# Altium PCB DCAC_V2c.PcbDoc (part 6 of 7) (continued)
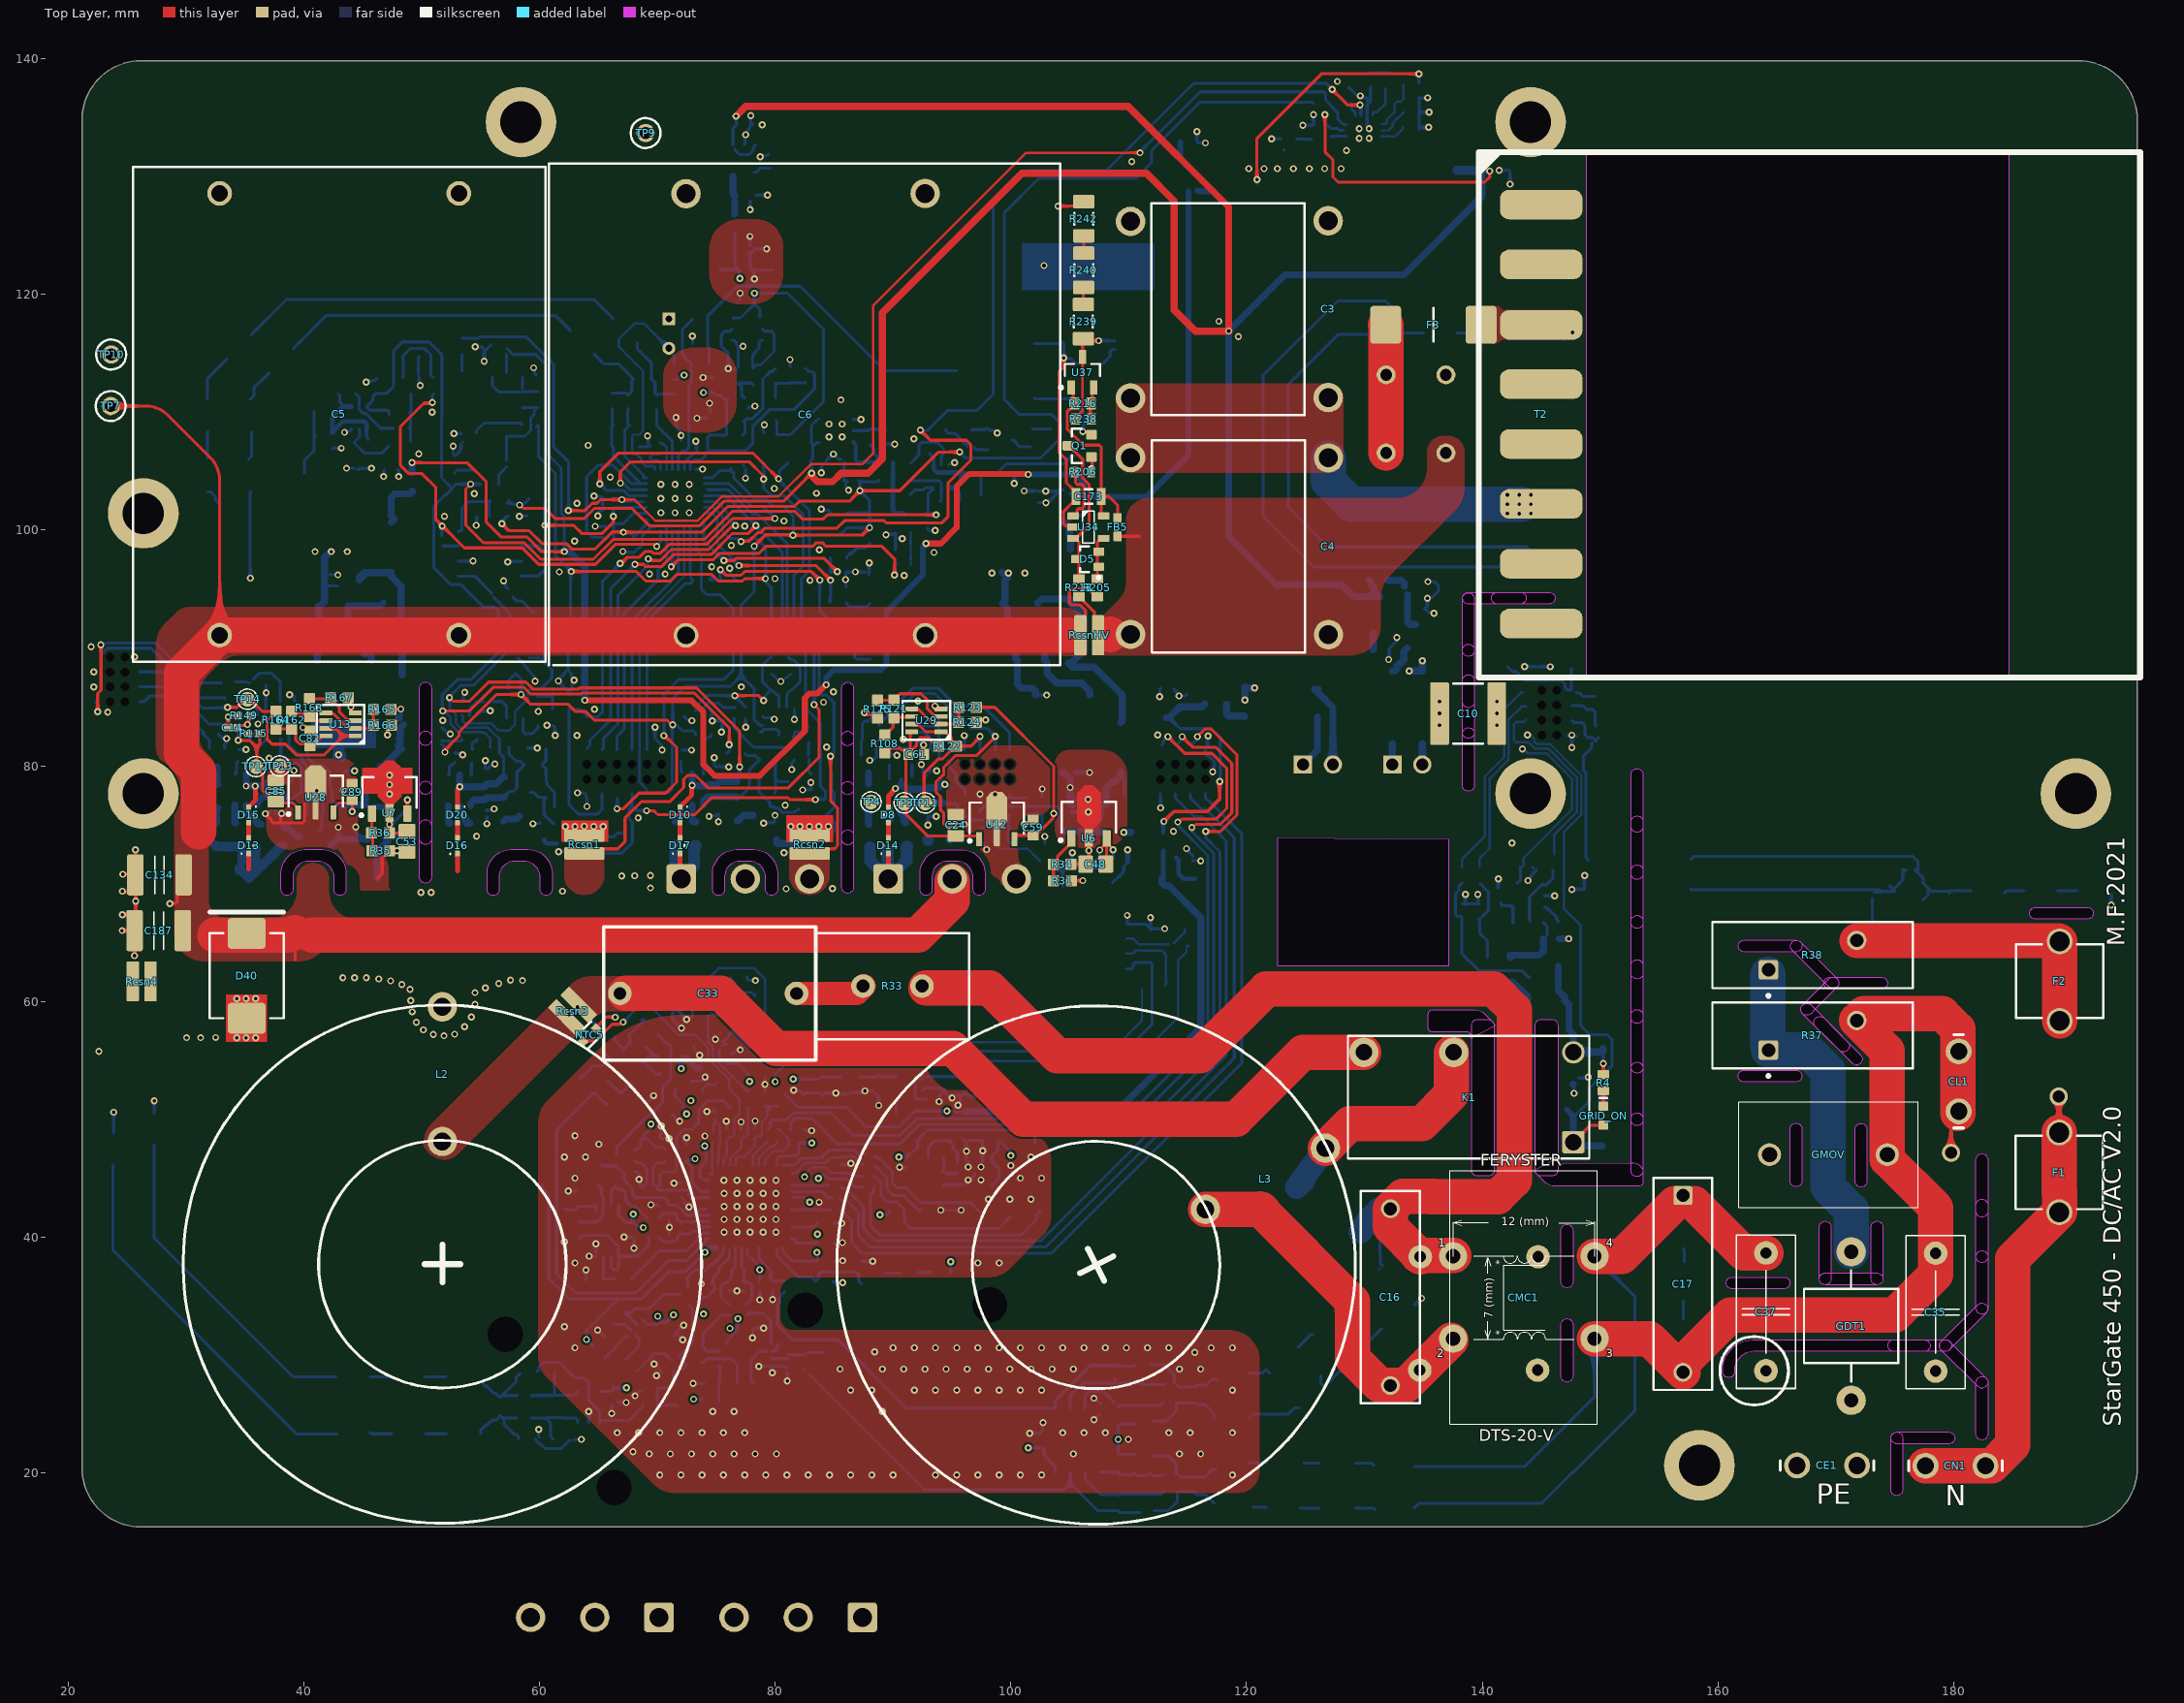
[diagram p0: Top Layer view]
## Nets (pads, with @x,y where several pads share a name; then routed paths per layer and width w, separated by ;. In a path a pad name is that pad's centre, name@x,y a point inside that pad or via, vN(x,y) a via of type N, cw(c..) or ccw(c..) an arc to the next point about the centre after c; other vN are vias at no path point) (continued)
  Bottom Layer w0.254: CONN_BOTT.3@69.11,81.37 69.11,92.235 72.327,95.452 72.777,95.452 73,95.675 R177.1@73,95.775 72.827,95.948 72.827,96.195 72.775,96.247 IC1.26@72.775,100.225
SPI_SCK_TOP_HF_MOS_2: R120.1 U32.39 | length 3.2
  Bottom Layer w0.254: U32.39@81.364,44.356 81.387,44.379 R120.1@84.529,44.379
STATUS1_2: Q7.1 R117.2 U32.2 | length 10
  Bottom Layer w0.254: U32.2@80.125,39 80.137,38.988 80.137,38.438 81.977,36.598 83.127,36.598 83.4,36.325 83.4,36.225 83.673,36.498 83.673,36.798 83.905,37.03 86.876,37.03 87.075,36.831 87.075,36.298 87.348,36.025 Q7.1@87.35,36.025
SWCLK_1: J3.2 R111.2 | length 2.5
  Bottom Layer w0.254: R111.2@86.075,97.625 86.075,97.725 86.348,97.998 86.448,97.998 86.942,98.492 87.652,98.492 J3.2@88.025,98.865
SWCLK_2: J2.2 R84.2 | length 6.1
  Bottom Layer w0.254: R84.2@88.425,46.05 88.573,45.902 88.615,45.902 89.475,45.042 89.475,44.05 90,43.525 90.9,43.525 92.002,42.423 92.165,42.26 J2.2@92.37,42.26
SWDIO_1: J3.4 R112.2 | length 2.3
  Bottom Layer w0.254: R112.2@86.025,93.875 86.025,93.775 86.298,93.502 87.742,93.502 J3.4@88.025,93.785
SWDIO_2: J2.4 R109.2 | length 11.7
  Bottom Layer w0.254: R109.2@88.382,46.898 88.473,46.807 88.668,46.807 89.945,45.53 89.945,44.58 90.347,44.178 91.062,44.178 92.316,42.925 96.575,42.925 97.077,42.423 97.082,42.423 97.5,42.005 J2.4@97.5,42
SWO_2: J2.6 R200.2 | length 19.3
  Bottom Layer w0.254: R200.2@88.41,44.28 88.323,44.193 88.323,43.818 88.1,43.595 88.1,40.95 88.88,40.17 100.865,40.17 102.157,41.462 102.157,41.887 J2.6@102.53,42.26
TMON_NTC_1: C114.2 IC1.9 NTC4.2 R186.1 | length 21.4
  Top Layer w0.254: NTC4.2@70.975,115.425 71.075,115.525 NTC4.2@71.1,115.525
  Bottom Layer w0.2: C114.2@68.45,106.185 68.45,106.205 68.23,106.425 68.037,106.425 67.852,106.61 67.852,107.98 67.969,108.097 68.457,108.097 68.775,108.415 68.775,113.525 66.7,115.6 66.7,116.175 68.05,117.525 68.875,117.525 NTC4.2@70.975,115.425
  Bottom Layer w0.254: C114.2@68.5,106.2 68.643,106.057 68.643,105.776 68.996,105.423 69.773,105.423 69.775,105.421 IC1.9@69.775,105.125 ; NTC4.2@70.975,115.425 70.975,115.256 71.425,114.806 R186.1@71.425,114.05
TMON_SHUNT_NTC_2: C29.2 NTC5.2 R42.1 U32.26 | length 25.4
  Top Layer w0.254: NTC5.2@63.411,56.675 64.775,56.675 66.156,58.056 66.812,58.056 67.006,58.25 v1(67.1,58.25)
  Bottom Layer w0.178: C29.2@75.925,48.26 75.925,48.28 76.156,48.511 76.396,48.511 76.513,48.628 76.513,50.013
  Bottom Layer w0.2: v1(67.1,58.25) 68.275,59.425 69.55,59.425 71.466,57.509 71.466,57.484 71.804,57.146 72.283,57.146 72.287,57.15 73.2,57.15 73.875,56.475 73.875,56.463 74.297,56.041 74.297,55.17 76.1,53.367 76.1,52.975 ; U32.26@75.614,46.106 75.614,46.381 75.664,46.431 75.664,46.548 75.664,46.714 75.875,46.925 C29.2@75.875,48.124 ; C29.2@75.85,48.124 76.046,48.32 C29.2@76.099,48.32 ; 76.117,53.022 76.117,52.558 76.978,51.697 76.978,50.478 76.513,50.013
TOP_HF_CHP_TIM8_CH2_1: IC1.31 R203.2 R225.1 | length 37.6
  Top Layer w0.254: 48.91,104.78 48.2,105.49 48.2,108.8 50.169,110.769 50.844,110.769 v1(50.9,110.825) ; 48.92,104.79 50.02,104.79 51.2,103.61 51.2,100.88 v1(51.73,100.35) ; v1@51.732,100.378 53.617,98.493 58.521,98.493 59.921,97.093 64.738,97.093 66.429,98.785 69.683,98.785 69.856,98.612 v1(69.95,98.612)
  Bottom Layer w0.254: v1(50.9,110.825) 50.9,111.45 R225.1@51.025,111.575 ; R203.2@51.69,99.53 51.705,99.545 v1@51.705,100.415 ; v1(69.95,98.612) 69.95,98.705 70.275,99.03 IC1.31@70.275,99.927
TOP_HF_GND: C14.1 C45.1 C53.2 C75.1 C80.1 C82.1 C85.2 C89.1 C122.1 C140.2 D46.2 J4.4 J4.6 J4.7 L2.2 Q24.3 Q25.2 Q26.2 Q27.2 Q28.2 R25.1 R35.1 R147.1 R149.2 R157.1 R158.1 R166.2 R167.2 R263.2 TP13.1 TP16.1 U7.3 U13.4 U17.3 U28.2 | length 64.3
  Top Layer w0.254: C14.1@33.56,83.25 33.575,83.25 v1@33.575,84.025 ; v1@33.6,84.1 34.275,84.1 ccw(c34.275,84.25) R149.2@34.425,84.25 ; v1(36.724,75.928) 37.234,75.418 37.234,75.295 37.383,75.145 38.014,75.145 ; v1(38.107,75.944) 38.041,75.878 38.041,75.383 38.014,75.356 38.014,75.145 ; v1(38.152,79.854) 38.287,79.719 C85.2@38.287,78.544 ; v1(39.918,83.251) 39.984,83.185 40.325,83.185 C82.1@40.515,82.995 ; 40.055,76.776 40.055,75.324 39.876,75.145 38.014,75.145 ; v1(43.333,77.907) 43.399,77.973 43.623,77.973 43.85,78.2 C89.1@43.9,78.2 ; R167.2@43.96,85.52 43.99,85.49 43.99,84.553 44.088,84.455 U13.4@44.135,84.455 ; 46.24,70.45 46.644,70.854 46.644,72.144 R35.1@47.275,72.775 ; v1(47.097,82.625) 47.115,82.643 47.115,83.107 47.308,83.3 R166.2@47.31,83.3 ; R35.1@47.375,72.975 47.575,72.775 48.7,72.775 C53.2@48.75,72.825 ; U7.3@48.775,75.95 48.775,75.745 48.552,75.522 48.597,75.522 U7.3@48.95,75.875 ; v1(48.775,77.103) 48.775,76.075 U7.3@48.85,76
  BOTT_RTN w3: 46.24,70.45 46.24,69.197 ccw(c48.78,69.197) 46.984,67.401 51.735,62.65 ; L2.2@51.75,59.544 51.75,60.713 51.79,60.753 51.79,61.805 57.581,67.596 ccw(c55.785,69.392) 58.325,69.392 58.325,70.4
  Bottom Layer w0.254: R157.1@32.775,82.7 32.775,82.625 33.048,82.352 33.048,82.366 33.364,82.366 v1(33.43,82.3) 33.43,82.206 33.364,82.14 33.364,81.876 33.275,81.787 Q26.2@33.275,81.501 ; v1(33.577,84.129) 34.304,84.129 C75.1@34.35,84.175 ; R147.1@34.475,81.375 34.488,81.362 35.062,81.362 v1(35.075,81.375) ; v1(36.1,83.547) 36.166,83.613 36.29,83.613 36.677,84 36.677,84.277 U17.3@36.75,84.35 ; v1(36.724,75.928) 36.79,75.994 37.027,75.994 37.175,76.142 C122.1@37.175,76.15 ; U17.3@36.75,84.475 36.75,85.725 36.775,85.7 C80.1@36.775,85.625 ; C80.1@36.75,85.625 36.8,85.675 v1(36.8,86.2) ; v1@36.8,86.3 R158.1@36.8,86.825 ; v1(37.047,80.65) 37.047,80.153 C140.2@37.125,80.075 ; C140.2@37.4,79.875 37.421,79.854 v1(38.152,79.854) ; C122.1@37.525,76.225 37.525,76.092 37.673,75.944 v1(38.107,75.944) ; v1@38.885,86.14 39.177,85.848 39.177,85.548 Q28.2@39.3,85.425 ; v1(42.925,74.775) 42.925,73.85 C45.1@42.95,73.825 ; v1(44.4,74.8) 44.4,74.373 44.998,73.775 R25.1@45.2,73.775 ; 47.15,73.825 47.175,73.8 ; R263.2@48.55,74.375 R263.2@48.775,74.6
  Bottom Layer w0.5: D46.2@47.01,73.95 47.782,73.95 48.207,74.375 R263.2@48.55,74.375
  Bottom Layer w0.6: C45.1@42.325,73.275 42.875,73.825 C45.1@43.125,73.825 43.15,73.8 45.175,73.8 R25.1@45.2,73.775 R25.1@45.425,73.775 ; 46.24,70.45 46.24,72.727 47.122,73.609 ; 46.975,73.825 47.15,73.825
  other v1: 47.9,72.775 41.08,77.874 23.351,84.554 43.99,85.01 38.785,86.04 22.183,86.675 22.183,87.95 25.625,89.225 21.95,90.1
TOP_HF_MOS_UVOV: J4.5 R164.2 TP14.1 U13.1 U13.7 | length 27.1
  Top Layer w0.254: v1(33.53,84.96) v1@33.596,84.894 ; v1@33.585,84.93 33.615,84.96 34.321,84.96 35.006,85.645 TP14.1@35.205,85.645 ; TP14.1@35.29,85.4 35.318,85.428 35.652,85.428 36.46,84.62 R164.2@37.64,84.62 ; R164.2@37.74,84.29 37.31,84.29 36.86,83.84 36.86,82.288 37.314,81.835 38.44,81.835 39.36,80.915 41.727,80.915 43.342,82.53 ; R164.2@37.89,84.545 37.89,84.543 R164.2@37.988,84.445 ; U13.7@41.86,83.18 41.933,83.107 42.765,83.107 43.342,82.53 ; U13.1@44.739,82.457 44.666,82.53 U13.1@44.36,82.53 43.342,82.53
  Bottom Layer w0.254: J4.5@26.045,87.96 28.315,87.96 31.363,84.912 33.482,84.912 v1(33.53,84.96)
TOP_HF_MOS_V_5V: C75.2 C82.2 C85.1 J4.3 R115.1 R162.1 R164.1 TP12.1 U13.8 U17.5 U28.1 | length 31.3
  Top Layer w0.254: v1(34.425,82.153) 35.397,82.153 36,81.55 ; R115.1@36.25,82.575 36.25,81.8 36,81.55 ; C85.1@37.625,76.95 37.425,76.95 36.5,77.875 36.5,79.268 35.925,79.843 TP12.1@35.925,79.925 36,80 36,81.55 ; v1(37.992,83.667) 37.954,83.629 37.954,83.434 R164.1@37.64,83.12 R162.1@38.965,83.12 ; C85.1@38,76.829 39.071,76.829 39.5,76.4 U28.1@39.5,76.05 ; R162.1@39.09,82.965 39.12,82.965 39.313,82.772 39.313,82.172 39.626,81.859 40.091,81.859 C82.2@40.305,81.645 ; C82.2@40.27,81.63 40.55,81.91 40.934,81.91 41.437,82.413 41.437,82.457 41.51,82.53 U13.8@41.86,82.53
  Bottom Layer w0.254: J4.3@26.045,86.69 28.81,86.69 31.976,83.524 33.676,83.524 34.325,82.875 C75.2@34.35,82.875 ; v1(34.425,82.153) 34.425,82.65 C75.2@34.45,82.675 ; C75.2@34.475,82.775 34.648,82.602 35.152,82.602 35.256,82.498 35.377,82.498 U17.5@35.45,82.425 ; U17.5@35.45,82.3 U17.5@35.45,82.425 ; v1(37.992,83.667) 37.267,82.942 35.967,82.942 U17.5@35.45,82.425
TOP_HF_MOS_VSN: C49.1 C53.1 C78.1 C140.1 D15.1 Q5.4 R36.2 R263.1 TP17.1 U7.2 U27.2 | length 18.1
  Top Layer w0.254: v1@35.1,78.15 v1@35.175,78.225 ; v1@47.275,75 v1(47.275,75.025) ; v1(47.275,77.6) U7.2@47.275,76 v1(47.275,75.025) ; C53.1@49.011,74.3 R36.2@47.25,74.3 47.263,74.313 47.263,75.013 v1(47.275,75.025)
  Top Layer w0.4: D15.1@35.325,76.485 35.325,76.525 35.9,77.1 v1@35.9,78.15
  Bottom Layer w0.254: C49.1@43.325,79.35 43.55,79.575 v1(44.3,79.575) ; v1@47.225,75 47.316,75.091 47.516,75.091 48.575,76.15 R263.1@48.775,76.15 ; v1(47.275,79.2) 47.341,79.266 48.166,79.266 TP17.1@48.325,79.425
  Bottom Layer w0.4: Q5.4@42.9,81.875 Q5.4@42.95,81.925
  Bottom Layer w0.6: U27.2@35.1,79.275 35.1,78.297 36.522,78.297 36.675,78.45 37.2,78.45 C140.1@37.325,78.575 ; C140.1@37.4,78.65 38.725,78.65 C78.1@38.8,78.725
  Bottom Layer w1: v1(42.942,80.917) v1@42.975,80.95 ; v1@43.125,80.8 v1@42.975,80.95 ; Q5.4@43.425,82.35 ccw(c43.425,82.05) 43.125,82.05 43.05,82.05 42.975,81.975 v1@42.975,80.95
  other v1: 35.1,78.275 35.875,78.275 47.275,78.4 39.15,79.59
TOP_HF_MOS_VSP: C45.2 C49.2 C89.2 D24.K D46.1 FB6.2 R25.2 R165.1 TP15.1 U28.3 | length 26.7
  Top Layer w0.254: U28.3@42.55,76.5 42.6,76.5 42.927,76.827 43.802,76.827 C89.2@44.1,77.125 ; v1(44.1,76.125) 44.1,76.85 43.975,76.975 C89.2@44.113,77.113 ; R165.1@47.39,84.78 47.4,84.77 v1@48.295,84.77
  Bottom Layer w0.254: FB6.2@39.55,82.275 39.773,82.052 40.029,82.052 40.295,81.786 40.295,80.73 40.985,80.04 41.639,80.04 42.2,79.479 42.2,78.2 42.374,78.026 42.374,77.148 42.897,76.625 C45.2@43.125,76.625 ; C49.2@46.125,79.35 46.386,79.611 C49.2@46.386,79.911 ; C49.2@46.648,80.123 46.948,80.123 47.843,81.018 TP15.1@48.11,81.018 ; v1(48.225,84.815) 48.225,83.935 D24.K@48.24,83.92
  Bottom Layer w0.508: R25.2@45.85,76.45 45.85,76.455 45.896,76.501 47.014,76.501 D46.1@47.075,76.44
  Bottom Layer w0.6: C45.2@43.125,76.625 43.175,76.675 45.15,76.675 R25.2@45.2,76.725 ; R25.2@45.137,76.725 45.225,76.812 45.225,78.25 45.325,78.35 45.375,78.35 46.125,79.1 C49.2@46.125,79.35 46.475,79.7 46.475,79.95 46.725,79.95 48.175,81.4 TP15.1@48.3,81.4 ; D24.K@48,84.05 D24.K@48.025,84.025 ; TP15.1@48.001,81.699 48.157,81.855 48.157,83.207 D24.K@48.45,83.5
TOP_HF_TWO_LEVEL_TIM1_CH2N_2: U32.34
TOP_LF_CHP_TIM8_CH2N_1: IC1.29 R81.1 | length 25.8
  Top Layer w0.254: v1(71.17,96.879) 71.78,97.489 74.746,97.489 75.282,98.025 78.625,98.025 79.225,98.625 83.195,98.625 83.499,98.93 84.001,98.93 84.305,98.625 89.05,98.625 90.13,97.545 v1(90.13,96.195)
  Bottom Layer w0.254: v1(71.17,96.879) 71.17,96.973 71.275,97.078 IC1.29@71.275,99.927 ; v1(90.13,96.195) 90.127,96.198 90.127,97.002 R81.1@90.25,97.125
TOP_LF_GND: C15.1 C24.2 C28.1 C48.2 C59.1 C61.1 C93.1 C102.1 C141.1 C142.2 D45.2 J5.4 J5.6 J5.7 Q17.2 Q23.3 Q29.2 Q30.2 Q31.2 R23.1 R31.1 R124.2 R125.2 R159.2 R184.1 R220.1 R221.1 R262.2 TP2.1 TP4.1 U6.3 U12.2 U29.4 U31.3 U39.3 U39.4 | length 67.6
  Top Layer w0.254: v1(87.575,84.495) 87.669,84.495 87.824,84.34 88.46,84.34 R125.2@88.53,84.27 ; C61.1@92.55,80.975 92.565,80.99 92.565,81.76 v1(92.58,81.775) ; v1(93.65,75.7) v1@93.675,75.725 ; C24.2@95.775,75.6 95.898,75.477 95.898,75.271 96.05,75.119 v1(96.05,75.025) ; R124.2@97.285,83.77 97.285,83.782 97.398,83.895 v1(97.85,83.895) ; U12.2@98.8,73.975 98.8,75.375 U12.2@98.825,75.4 ; Q23.3@100.465,70.4 100.9,70.4 Q23.3@100.9,70.75 ; v1(101.15,75.047) 101.205,75.102 C59.1@101.652,75.102 ; C59.1@101.8,75.15 101.752,75.102 C59.1@101.652,75.102 ; C59.1@101.8,75.25 C59.1@101.652,75.102 ; R31.1@105.125,70.25 v1@106.175,70.25 ; v1(107.538,72.841) 107.538,72.888 U6.3@108.125,73.475 ; C48.2@107.95,71.65 C48.2@107.95,71.8 ; U6.3@108.125,73.825 U6.3@108.125,73.475 ; C48.2@108.175,71.75 108.125,71.8 U6.3@108.125,73.475 ; v1(108.675,72.875) 108.675,72.925 108.175,73.425 108.175,73.525 U6.3@108.125,73.475 ; v1@108.741,72.841 v1@108.775,72.875
  Top Layer w0.6: v1(93.556,85.069) U29.4@93.7,84.925
  BOTT_RTN w3: Q17.2@77.425,70.165 77.425,67.367 79.182,65.61 96.505,65.61 100.465,69.57 Q23.3@100.465,70.4
  Bottom Layer w0.254: v1(88.025,80.45) 88.091,80.516 88.353,80.516 88.6,80.763 Q29.2@88.6,80.95 ; Q29.2@88.575,80.926 88.575,82.05 R220.1@88.775,82.25 ; R184.1@89.775,81.15 89.775,81.075 89.898,80.952 89.973,80.952 89.98,80.945 90.263,80.945 v1(90.329,80.879) ; v1(90.868,82.236) 90.929,82.175 U31.3@91.925,82.175 ; C93.1@91.55,84.65 91.65,84.65 91.898,84.898 91.898,85.048 92.048,85.198 92.048,85.436 v1(92.114,85.502) ; U31.3@92.1,82.125 92.384,81.841 92.514,81.841 v1(92.58,81.775) ; v1(92.403,80.1) 92.403,80.006 92.527,79.882 92.527,79.523 C142.2@92.875,79.175 ; C141.1@92.925,75.5 92.955,75.47 v1(92.955,74.968) ; C141.1@92.925,75.7 v1(93.65,75.7) ; C142.2@93.1,79.425 93.1,79.505 93.173,79.578 v1(93.7,79.578) ; C102.1@94.642,81.37 C102.1@94.815,81.37 ; C102.1@94.815,81.35 C102.1@94.815,81.37 ; C15.1@94.85,83.325 94.815,83.29 C102.1@94.815,81.37 ; J5.7@96.048,81.463 96.073,81.488 96.073,82.538 v1(96.05,82.56) ; J5.7@96.095,81.37 C102.1@94.815,81.37 ; J5.6@97.365,77.2 97.365,77.54 J5.6@97.375,77.55 ; Q30.2@97.575,73.45 97.614,73.45 97.868,73.196 97.868,72.957 v1(97.934,72.891) ; J5.4@98.635,77.63 98.635,77.59 v1(98.65,77.575) ; R221.1@102.65,77.35 v1(102.65,78.025) ; Q31.2@102.85,73.425 102.875,73.45 v1(102.875,73.997) ; TP2.1@104.4,69.75 104.4,71.3 104.4,71.4 C28.1@104.475,71.475 ; C28.1@105.025,71.725 105.159,71.859 105.159,72.559 v1(105.225,72.625) ; R23.1@106.85,71.9 ccw(c106.85,72.588) 107.538,72.588 v1(107.538,72.841) ; R262.2@108.375,72.075 R262.2@108.675,72.375 ; R262.2@108.625,72.125 108.675,72.175 R262.2@108.675,72.375 ; v1(108.675,72.875) R262.2@108.675,72.375
  Bottom Layer w0.6: C28.1@104.064,71.289 C28.1@104.4,71.625 106.003,71.625 cw(c106.003,71.028) R23.1@106.425,71.45 ; C28.1@104.4,71.3 C28.1@104.663,71.563 ; R23.1@106.575,71.563 R23.1@106.575,71.45 106.58,71.455 107.897,71.455 108.367,71.925 R262.2@108.375,71.925 ; v1(109.575,74.35) D45.2@110.19,74.35
  other v1: 106.1,70.25 88.175,77.253 97.375,77.6
TOP_LF_MOS_UVOV: J5.5 R122.2 TP11.1 U29.1 U29.7 | length 14.3
  Top Layer w0.254: U29.7@91.575,83.525 91.648,83.452 92.198,83.452 92.775,82.875 94.425,82.875 94.96,82.34 94.96,81.94 R122.2@95.25,81.65 ; TP11.1@92.625,76.95 92.625,79.358 93.832,80.565 94.165,80.565 R122.2@95.25,81.65 ; v1(97.375,82.5) 97.375,82.425 96.621,81.671 95.271,81.671 R122.2@95.25,81.65
  Bottom Layer w0.254: J5.5@97.365,81.37 97.37,81.375 97.37,82.495 v1(97.375,82.5)
TOP_LF_MOS_V_5V: C24.1 C61.2 C93.2 J5.3 R108.1 R122.1 R156.1 TP3.1 U12.1 U29.8 U31.5 | length 46.2
  Top Layer w0.254: R108.1@89.33,81.405 89.605,81.405 89.684,81.484 90.58,81.484 90.741,81.323 90.987,81.323 C61.2@91.285,81.025 ; C61.2@90.952,81.298 91.25,81 91.25,80.975 91.078,80.803 91.078,76.978 TP3.1@90.95,76.85 91.136,76.664 91.136,75.834 92.92,74.05 C24.1@95.125,74.05 ; C61.2@91.285,80.975 C61.2@91.285,81.025 ; C61.2@91.573,81.298 91.975,81.7 91.975,82.08 92.274,82.38 93.02,82.38 R122.1@93.75,81.65 ; U29.8@91.575,82.875 91.546,82.875 91.473,82.802 91.473,81.298 91.285,81.11 C61.2@91.285,81.025 ; U12.1@97.3,73.775 U12.1@97.3,73.777 ; v1@98.729,82.504 97.075,80.85 95.28,80.85 94.305,79.875 94.305,79.28 93.625,78.6 93.625,77.775 94.025,77.375 94.025,76.25 94.305,75.97 94.305,75.07 94.752,74.623 94.752,74.423 C24.1@95.125,74.05 ; C24.1@95.125,74.05 C24.1@95.325,74.05 U12.1@97.177,74.05 ; U12.1@97.177,74.05 97.177,73.9 U12.1@97.3,73.777 ; U12.1@97.177,74.05 97.3,73.927 U12.1@97.3,73.777
  Bottom Layer w0.254: U31.5@89.875,83.475 89.927,83.475 90,83.548 90,84.25 90.3,84.55 90.3,84.6 90.598,84.898 90.623,84.898 91.85,86.125 93.525,86.125 94.775,84.875 R156.1@94.775,84.25 ; R156.1@94.8,84.275 95.5,84.275 96.605,83.17 98.005,83.17 v1(98.675,82.5) ; J5.3@98.635,81.37 98.686,81.421 v1@98.686,82.489
TOP_LF_MOS_VSN: C47.1 C48.1 C97.1 C142.1 D8.1 Q4.4 R34.2 R262.1 TP5.1 U6.2 U33.2 | length 20.8
  Top Layer w0.254: R34.2@105.1,71.65 106.425,71.65 C48.1@106.475,71.6 ; C48.1@106.15,72.1 C48.1@106.4,72.1 ; U6.2@106.625,73.875 v1(106.625,72.8) 106.625,72.05 C48.1@106.75,71.925
  Top Layer w0.4: D8.1@89.6,76.485 89.6,77.421 90.225,78.046 v1@90.225,78.125
  Bottom Layer w0.254: TP5.1@108.6,70.05 109.577,71.027 109.577,71.452 R262.1@109.725,71.6
  Bottom Layer w0.4: v1(90.2,78.075) ccw(c90.2,78.575) 90.694,78.499 ccw(c90.2,78.575) 90.7,78.575 U33.2@90.7,78.8 ; v1(94.4,78.425) 94.504,78.321 C97.1@94.7,78.321 ; C47.1@105.175,76.05 105.2,76.075 v1(106.575,76.075) ; C47.1@105.4,77.125 105.425,77.15 v1(106.55,77.15) ; Q4.4@105.45,79.4 105.475,79.425 v1(106.675,79.425) ; v1@109.9,72.725 109.913,72.713 109.913,71.863 R262.1@109.925,71.85
  Bottom Layer w0.6: 90.694,78.499 91.193,78 92.85,78 92.975,78.125 93.825,78.125 94.2,78.5 C97.1@94.3,78.5 ; Q4.4@104.4,79.4 104.475,79.4 105.025,78.85 v1(105.025,78.15) 105.025,76.775 C47.1@105.175,76.625
  other v1: 109.9,72.875
TOP_LF_MOS_VSP: C28.2 C47.2 C59.2 D6.K D45.1 FB9.2 R23.2 R123.1 TP1.1 U12.3 | length 38.5
  Top Layer w0.254: R123.1@97.065,84.96 98.621,84.96 103.625,79.956 103.625,76 v1@103.575,75.95 ; U12.3@100.3,73.775 100.3,73.977 100.423,74.1 C59.2@101.9,74.1 ; C59.2@101.925,74.1 102.223,74.398 102.42,74.398 103.571,75.549 103.571,75.803 v1@103.666,75.897 ; C59.2@101.95,73.925 C59.2@101.975,73.95
  Bottom Layer w0.254: FB9.2@97.3,76.1 97.35,76.1 97.365,76.115 FB9.2@97.365,76.25 ; FB9.2@97.425,76.25 97.73,76.555 103.983,76.555 104.125,76.413 104.125,75.925 104.166,75.884 ; v1(103.625,75.95) 103.65,75.925 104.1,75.925 104.1,74.725 C28.2@104.4,74.425 ; D6.K@109.625,78.875 109.625,77.631 ccw(c109.881,77.631) TP1.1@109.7,77.45
  Bottom Layer w0.6: C28.2@104.4,74.425 106.825,74.425 107.225,74.825 107.225,75.3 107.625,75.7 107.625,76.525 C47.2@107.975,76.875 ; R23.2@106.75,74.4 106.775,74.375 107.945,74.375 107.96,74.36 D45.1@107.96,74.35 ; C47.2@107.975,76.625 108.049,76.699 108.049,78.074 108.65,78.675 108.875,78.675 109.325,79.125 D6.K@109.325,79.475
TRIG_ADC_BOTT: CONN_BOTT.9 IC1.21 | length 30.3
  Top Layer w0.254: v1(69.225,97.57) 69.319,97.57 69.472,97.417 70.242,97.417 71.178,98.353 74.349,98.353 76.307,100.311 76.552,100.311 v1(76.618,100.377)
  Bottom Layer w0.254: CONN_BOTT.9@65.3,81.37 65.437,81.507 65.437,82.337 66.65,83.55 66.65,94.455 69.159,96.964 69.159,97.504 v1(69.225,97.57) ; IC1.21@73.975,102.425 75.025,102.425 75.982,101.468 75.982,101.013 v1(76.618,100.377)
TWO_LEVEL_OC_1: IC1.22 R19.1 R88.1 R95.1 R130.2 R193.1 U40.6 | length 145.4
  Top Layer w0.254: v1(62.691,96.488) 68.212,96.488 69.03,95.67 71.074,95.67 71.668,96.264 74.568,96.264 75.162,95.67 77.206,95.67 77.42,95.884 v1(79.164,95.884) ; v1(77.1,99.025) 77.131,99.056 77.781,99.056 78.497,99.772 78.742,99.772 79.14,100.17 85.245,100.17 85.88,100.805 89.22,100.805 89.4,100.625 94.15,100.625 94.65,101.125 94.65,103.975 96.6,105.925 96.6,107.25 96.225,107.625 93.175,107.625 v1(92.325,108.475) ; v1(127.25,137.4) 128.575,136.075 v1(129.622,136.075) 129.625,136.075 v1@129.65,136.05
  Bottom Layer w0.2: R19.1@59.722,108.772 R19.1@59.9,108.95
  Bottom Layer w0.254: R19.1@59.9,108.825 59.9,106.256 60.481,105.676 61.355,104.801 61.355,97.825 61.805,97.375 v1(62.691,96.488) 62.635,96.432 62.635,90.935 62.475,90.775 62.475,90.76 62.252,90.537 62.037,90.537 61.348,89.848 61.348,89.748 R130.2@61.175,89.575 ; IC1.22@73.975,101.925 74.75,101.925 74.975,101.7 ; 74.98,101.705 75.55,101.136 75.55,99.825 76.07,99.305 76.727,99.305 77.006,99.025 v1(77.1,99.025) 77.131,99.056 77.531,99.056 77.712,99.237 78.463,99.237 78.675,99.025 79.215,98.485 79.215,95.935 v1(79.164,95.884) 79.231,95.818 79.231,95.569 79.675,95.125 R88.1@79.675,90.6 ; v1(92.325,108.475) 92.95,108.475 R193.1@92.975,108.45 ; R193.1@93.075,108.525 93.075,108.625 94.59,110.14 97.09,110.14 98.5,111.55 98.5,127.6 101.4,130.5 108.075,130.5 115.475,137.9 126.775,137.9 v1@127.25,137.425 ; v1(129.622,136.075) 129.622,135.981 129.702,135.902 129.702,135.198 U40.6@129.725,135.175
USART1_RX_2: R180.1 U32.32 | length 2.8
  Bottom Layer w0.203: U32.32@78.614,46.106 78.614,46.704 79.631,47.721 79.878,47.721 80.127,47.969 80.127,48.102 R180.1@80.175,48.15
V_3V3A: C68.2 C69.2 D43.2 IC1.15 R186.2 R211.1 R214.1 TP57.1 | length 27.9
  TOP_RTN w0.6: v1@72.26,113.14 73.725,111.675 v1(73.9,111.675)
  Bottom Layer w0.254: R186.2@71.33,112.695 R186.2@71.386,112.75 ; R186.2@71.6,112.775 71.65,112.775 71.958,113.083 72.204,113.083 v1(72.27,113.15) ; IC1.15@72.775,105.125 72.777,105.127 72.777,105.608 73.112,105.943 73.694,105.943 74.052,106.301 74.052,106.532 74.07,106.55 C68.2@74.15,106.55 ; v1(73.9,111.675) D43.2@74.675,111.675 ; C69.2@74.45,108.1 74.265,107.915 C68.2@74.265,106.725 77.475,106.725 78.075,107.325 78.075,108.785 79.515,110.225 81.575,110.225 83.33,111.98 83.33,113.245 83.123,113.452 82.848,113.452 R211.1@82.575,113.725 ; C69.2@74.5,108.05 R214.1@75.875,108.05 75.875,110.975 TP57.1@75.975,111.075 ; D43.2@74.784,111.666 74.998,111.452 75.323,111.452 75.7,111.075 TP57.1@75.875,111.075
V_3V3D: C54.2 C55.2 C58.2 C66.1 C67.2 C112.2 C126.2 C161.1 CONN_BOTT.2 FB11.2 FB18.2 IC1.1 IC1.17 J3.1 LED3.2 R187.2 TP43.1 U10.5 U11.5 U15.5 U16.5 | length 207.4
  Top Layer w0.254: v1@51.972,81.353 53.175,82.556 53.175,82.88 56.345,86.05 v1(58.425,86.05) 59.258,85.217 62.433,85.217 63.05,84.6 63.925,84.6 64.475,84.05 64.645,83.88 70.812,83.88 71.212,83.48 v1(71.305,83.48) ; v1(56.8,100.55) 57.394,99.956 59.119,99.956 60.25,98.825 62.31,98.825 62.735,98.4 64.725,98.4 66.175,99.85 67.086,99.85 v1(67.115,99.821) ; v1@67.115,99.81 67.126,99.821 73.796,99.821 75.993,102.018 81.629,102.018 82.061,102.45 86.283,102.45 87.1,103.267 87.1,103.4 87.123,103.4 v1(87.178,103.345) 90.57,103.345 93.85,106.625 95.575,106.625 v1@95.65,106.55 ; v1(78.212,98.632) 79.18,99.6 81.465,99.6 v1(81.5,99.565) ; v1@81.5,99.575 81.51,99.565 87.365,99.565 v1(88,100.2)
  Bottom Layer w0.254: C112.2@51.625,81.825 51.708,81.825 51.906,81.627 51.906,81.219 v1(51.972,81.153) ; C112.2@51.7,82.125 51.738,82.087 53.327,82.087 53.4,82.16 U16.5@53.4,82.25 ; v1@56.866,100.791 57.275,101.2 FB18.2@57.35,101.2 ; U15.5@57.375,86.55 57.375,87.25 57.652,87.527 57.677,87.527 C58.2@57.975,87.825 ; v1(58.425,86.05) 58.425,87.378 58.276,87.527 58.273,87.527 C58.2@57.975,87.825 ; v1(67.115,99.821) 67.181,99.755 67.67,99.755 67.717,99.708 67.722,99.708 68.063,99.368 68.063,99.363 68.063,99.483 69.075,100.495 IC1.1@69.075,100.925 ; CONN_BOTT.2@70.38,77.63 70.5,77.75 70.95,77.75 71.275,78.075 71.275,83.4 v1@71.3,83.425 ; v1(71.305,83.48) 71.305,85.705 72.35,86.75 76.2,86.75 77.1,87.65 ; 71.661,83.414 71.975,83.1 C55.2@71.975,83.075 ; C55.2@72.125,82.975 73.025,82.975 73.25,82.75 U11.5@73.25,82.625 ; IC1.17@73.975,104.425 74.675,104.425 75.3,105.05 76.1,105.05 76.275,105.225 76.275,104.927 76.484,104.927 76.484,104.416 78.2,102.7 79.125,102.7 79.775,102.05 80.675,102.05 81.529,101.196 81.529,99.595 v1(81.5,99.565) ; v1(78.212,98.632) 78.212,94.762 77.1,93.65 77.1,87.65 ; C54.2@78.725,82.85 78.8,82.85 79.05,83.1 80.075,83.1 80.325,82.85 U10.5@80.325,82.55 ; C54.2@78.9,83.4 78.744,83.4 78.198,83.946 78.198,86.552 77.1,87.65 ; TP43.1@85.475,99.675 85.607,99.675 86.132,100.2 v1(88,100.2) 88.013,100.213 88.013,102.511 v1(87.178,103.345) 87.175,103.345 C126.2@87.175,104.075 ; C67.2@86.025,101.375 86.1,101.45 J3.1@87.95,101.45 ; C126.2@87.05,104.225 87.175,104.1 88.675,104.1 FB11.2@88.8,104.225 ; v1(95.647,106.625) 96.154,106.118 102.518,106.118 LED3.2@103.375,106.975 104.25,107.85 104.25,109.025 103.45,109.825 100.7,109.825 99.45,111.075 99.45,126.95 102.35,129.85 110.6,129.85 111.925,131.175 111.925,132.2 116.05,136.325 124.675,136.325 ; 124.725,136.325 125.55,136.325 R187.2@125.625,136.25 ; C58.2@57.975,87.825 57.975,87.85 C58.2@57.975,87.825
V_3V3DCDC: J6.5 R3.2 R13.2 | length 3.4
  Bottom Layer w0.254: J6.5@147.595,85.11 147.602,85.103 148.537,85.103 148.879,84.761 149.389,84.761 R3.2@149.575,84.575 149.575,83.45 R13.2@149.65,83.375
V_3VN: C91.2 C113.1 C117.1 C136.1 C138.1 D10.1 D20.1 TP50.1 U23.5 U35.2 U36.2 | length 70.8
  Top Layer w0.254: v1(52.347,85.775) 52.369,85.775 52.669,85.475 54.05,85.475 55.675,87.1 58.841,87.1 59.427,86.514 63.306,86.514 63.396,86.603 73.322,86.603 76.975,82.95 v1(76.975,79.9)
  Top Layer w0.4: D20.1@53.025,76.51 53.025,77.971 53.25,78.196 v1@53.25,78.275 ; D10.1@71.925,76.485 71.925,76.525 72.912,77.512 72.912,78.237 v1@72.95,78.275
  Bottom Layer w0.203: v1@52.4,85.722 52.4,84.889 52.887,84.402 52.887,83.638 53.29,83.235 55.144,83.235 55.155,83.225 55.625,83.225 56.6,82.25
  Bottom Layer w0.254: v1@52.4,85.722 v1(52.347,85.775) 52.347,85.853 53.324,86.83 54.43,86.83 57.433,89.833 57.433,91.308 TP50.1@57.475,91.35 57.475,92.925 C91.2@56.1,94.3 ; U23.5@53.1,96.095 54.505,96.095 55.925,94.675 C91.2@55.925,94.575 ; 56.6,82.25 56.6,81.075 56.958,80.717 56.958,79.092 C117.1@57,79.05 ; C113.1@76.7,78.825 76.975,79.1 v1(76.975,79.9)
  Bottom Layer w0.6: U36.2@53.2,79.2 53.2,78.25 v1(53.225,78.225) 53.228,78.222 55.347,78.222 C136.1@55.45,78.325 ; C136.1@55.55,78.45 56.3,78.45 56.9,79.05 C117.1@57,79.05 ; U35.2@72.95,79.275 v1(72.95,78.325) 72.978,78.297 74.354,78.297 74.457,78.4 75.05,78.4 75.3,78.65 C113.1@76.75,78.65
V_5VPA: C107.2 C127.2 C171.2 C172.2 FB2.2 TP41.1 U24.5 U26.3 U26.4 | length 31.5
  TOP_RTN w0.5: v1(77,121.35) 77,121.325 v1(78.225,120.1)
  Bottom Layer w0.254: TP41.1@75.325,122.1 76.887,122.1 76.95,122.038 76.934,122.022 76.934,121.416 v1(77,121.35) ; U26.3@76.425,117.975 76.457,118.007 77.057,118.007 C172.2@78.225,119.175 ; C127.2@76.45,123.95 C127.2@76.6,123.8 ; FB2.2@76.55,125.275 76.55,124.125 C127.2@76.575,124.1 ; C127.2@76.575,123.775 76.575,122.425 C107.2@76.825,122.175 ; v1@78.125,120.125 78.15,120.1 v1(78.225,120.1) ; C172.2@78.225,119.225 C172.2@78.225,119.175 ; C172.2@78.275,119.225 78.225,119.275 v1(78.225,120.1) ; U26.4@78.7,118.05 78.7,118.728 78.551,118.877 78.523,118.877 C172.2@78.225,119.175 ; U24.5@80.075,109.275 80.15,109.2 80.15,108.1 81.275,108.1 84.1,110.925 84.1,117.05 81.05,120.1 v1(78.225,120.1)
V_6VP: C71.2 C77.2 C109.2 C176.2 C186.2 FB8.2 FB10.2 L7.1 R178.2 TP44.1 U14.1 U14.3 U18.4 U18.6 U40.3 | length 250.5
  Top Layer w0.254: v1(58.305,102.131) 58.346,102.131 58.626,101.85 60.45,101.85 61.325,100.975 63.8,100.975 64.667,101.842 67.833,101.842 69.3,100.375 73.575,100.375 75.65,102.45 80.7,102.45 v1(83.075,104.825) ; v1(126.65,135.25) 126.65,132.1 127.325,131.425 127.325,129.975 127.775,129.525 140.2,129.525 140.625,129.95 v1(140.625,130.475)
  Top Layer w0.6: v1(76.675,135.125) 77.503,135.953 79.793,135.953 79.796,135.95 109.95,135.95 118.475,127.425 v1(118.475,116.9) ; v1(83.075,104.825) 83.075,104.731 83.122,104.683 83.122,104.553 83.578,104.097 84.872,104.097 85.6,104.825 87.875,104.825 89.1,106.05 89.1,118.45 100.925,130.275 111.5,130.275 113.85,127.925 113.85,118.675 115.65,116.875 v1@118.5,116.875
  Bottom Layer w0.254: FB10.2@57.277,102.3 57.3,102.277 FB10.2@57.598,102.277 ; FB10.2@57.375,102.5 FB10.2@57.598,102.277 ; FB10.2@57.675,102.277 FB10.2@57.598,102.277 ; v1(58.305,102.131) v1@58.238,102.197 ; R178.2@59.075,102.7 59.075,102.6 58.802,102.327 58.702,102.327 58.572,102.197 v1@58.238,102.197 ; U14.1@76.425,132.675 76.425,134.1 C71.2@76.675,134.35 ; U14.1@76.55,132.35 76.598,132.302 76.598,132.265 76.993,131.87 77.757,131.87 78.152,132.265 78.152,132.502 U14.3@78.325,132.675 ; v1(76.675,135.125) 76.675,134.525 C71.2@76.75,134.45 ; C109.2@82.95,105.825 83.173,106.048 83.173,107.073 83.525,107.425 U18.4@83.725,107.425 ; v1(83.075,104.825) C109.2@83.075,105.7 ; 83.225,107.2 83.07,107.355 83.07,108.87 83.6,109.4 U18.6@83.675,109.4 ; v1@126.675,135.225 126.677,135.223 126.677,134.548 127.125,134.1 127.69,134.1 127.865,133.925 U40.3@128.24,133.925 ; C77.2@139.75,130.525 139.8,130.475 v1(140.625,130.475) ; FB10.2@57.598,102.277 57.675,102.2 57.991,102.2 57.994,102.197 v1@58.238,102.197
  Bottom Layer w0.6: 122.545,95.365 128.105,95.365 129.12,94.35 C186.2@130.625,94.35 ; 122.55,95.35 118.475,99.425 v1(118.475,116.9) 123.25,121.675 133.35,121.675 139.975,128.3 C77.2@139.975,130.39 ; FB8.2@130.375,95.725 130.45,95.725 130.5,95.675 130.5,95.449 130.793,95.156 130.793,94.62 131.068,94.345 C186.2@131.295,94.345 ; C186.2@130.695,94.345 C186.2@131.295,94.345 ; C186.2@130.697,94.563 131.077,94.563 C186.2@131.295,94.345
  Bottom Layer w0.762: L7.1@137.85,130.525 C77.2@139.75,130.525